# KiCad board q2v2.kicad_pcb (continued)
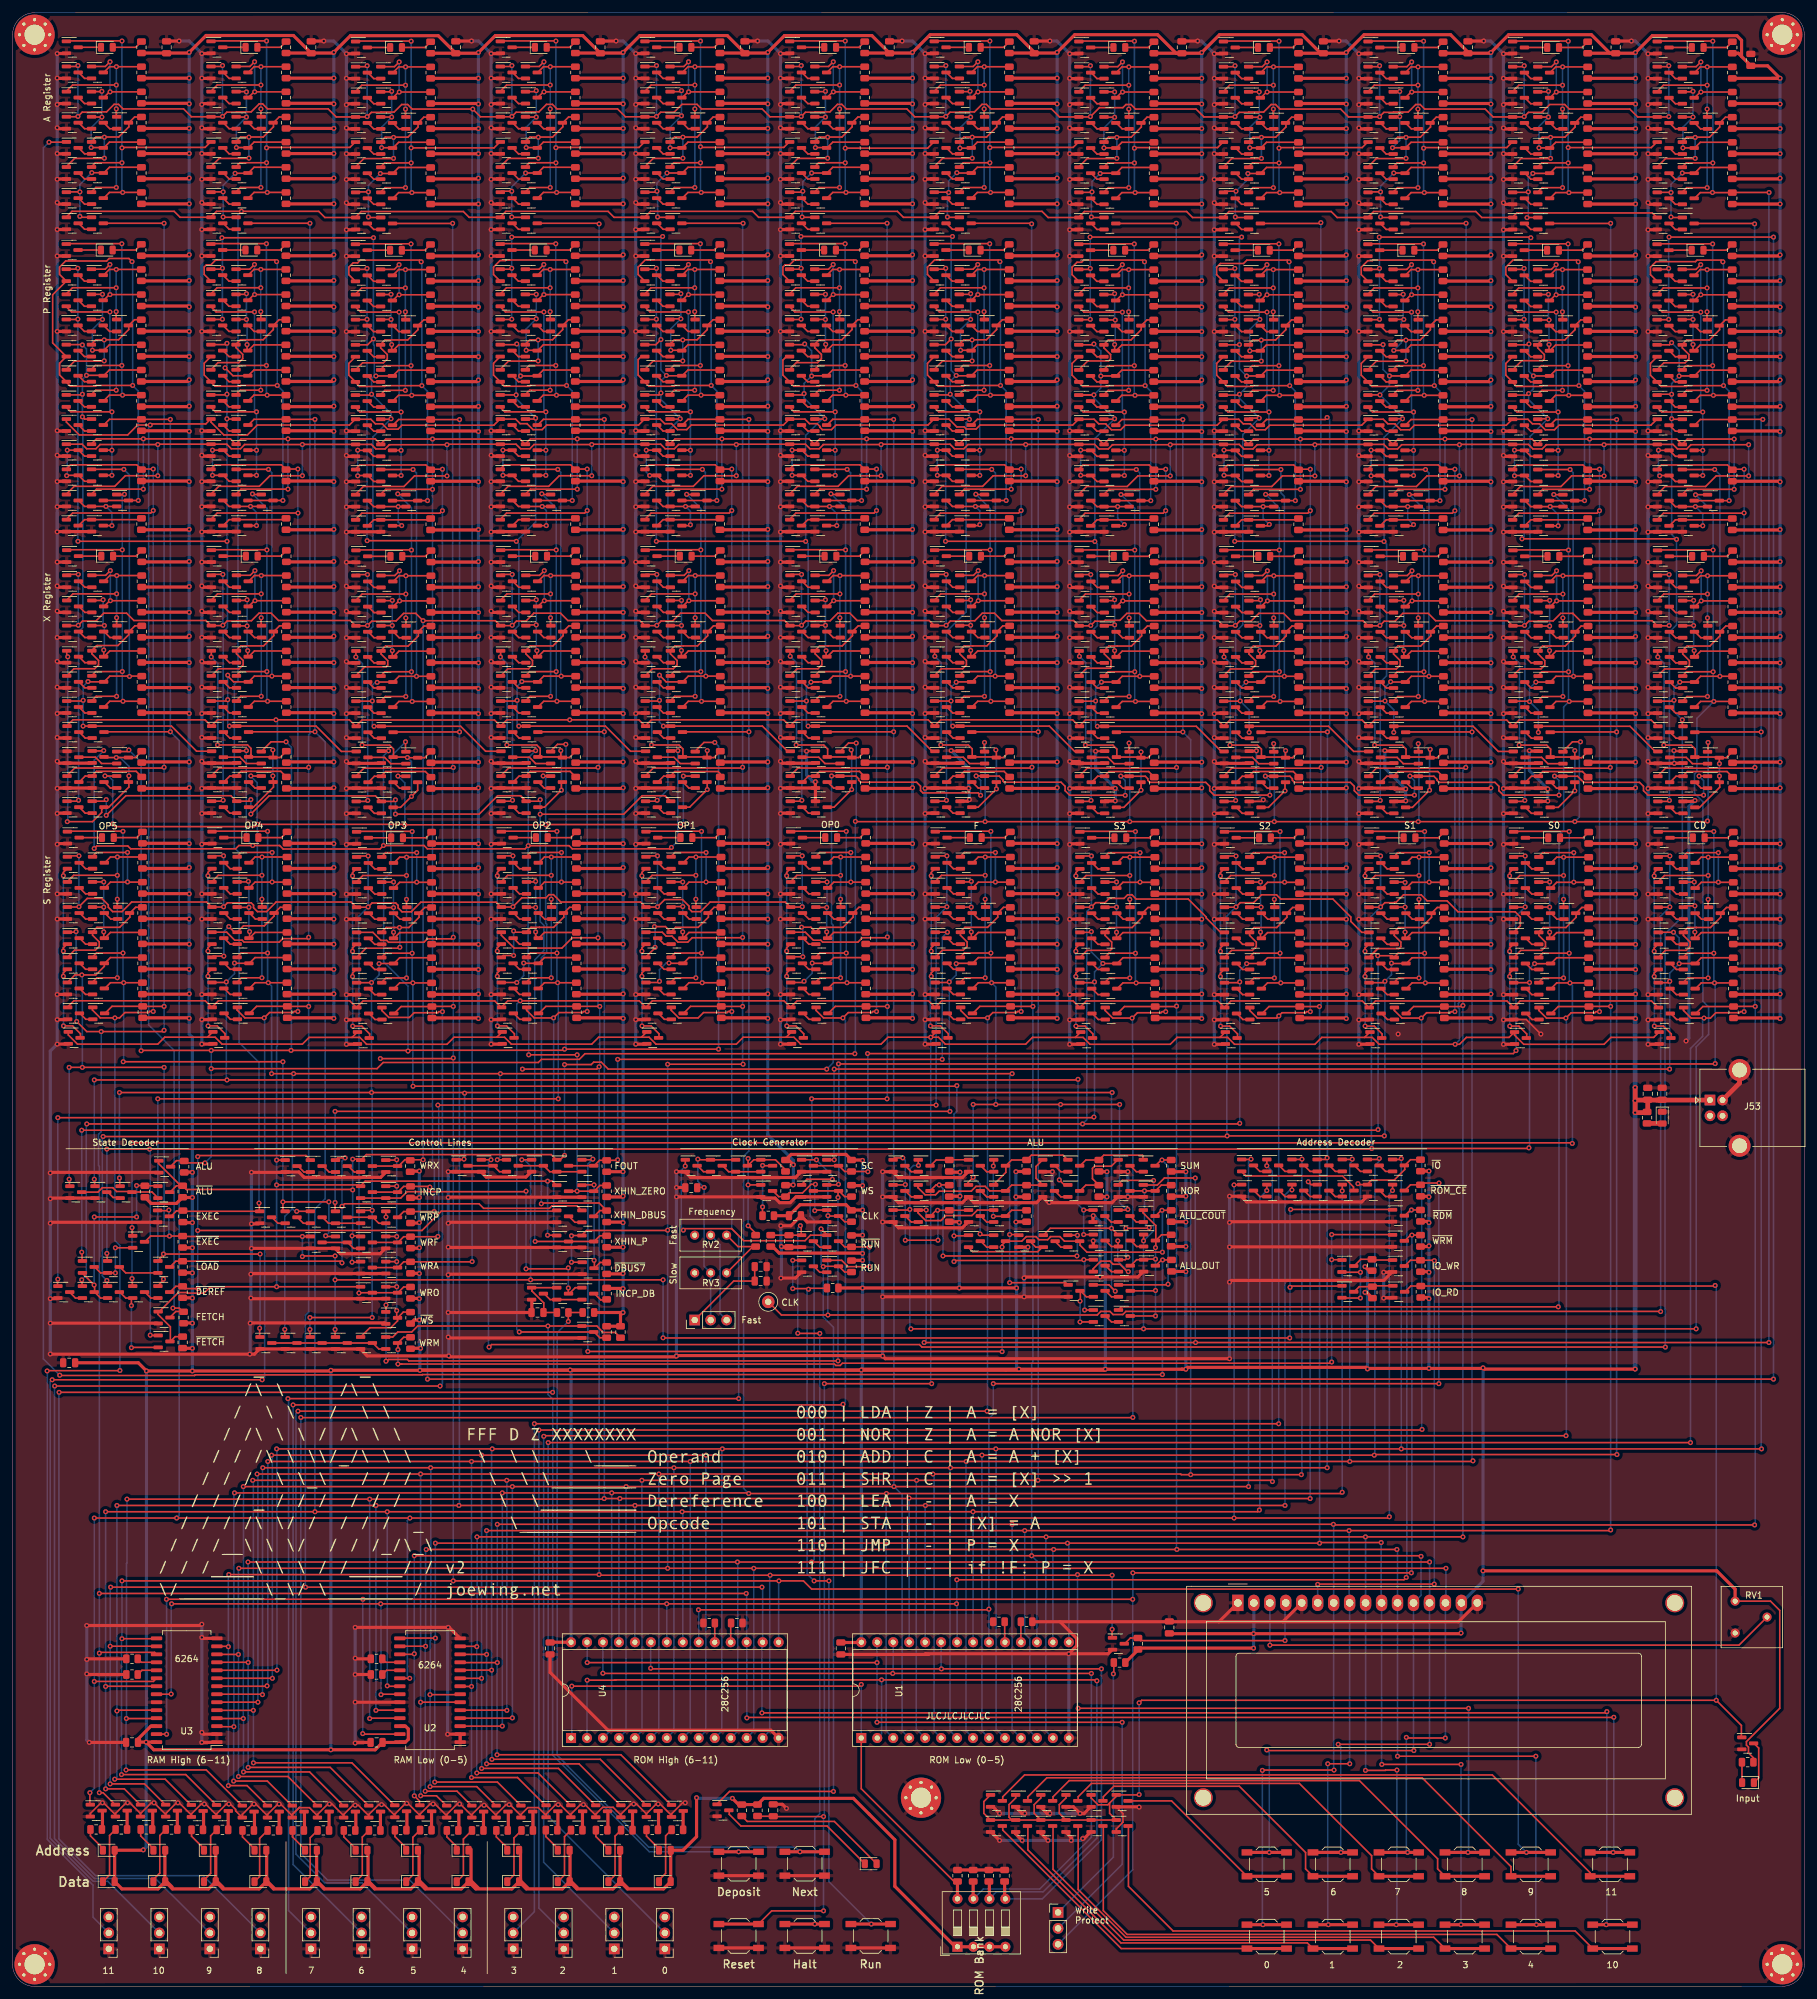
[diagram p0: board, top side]
## Routing (per net, layer and track width the routed paths; a pad name or vN(x,y) marks a point on that pad's centre or on a via; arc(x,y) is an arc through that point) (continued)
VCC: length 6872.1
  Top w0.25: RV1.3 279.62,61.31 281.1,59.83 281.1,44.25 275.8,38.95 275.8,38.4 276.13,38.07 276.13,37.16 276.91,36.38 R112.1
  Top w0.5: 88.68,21.87 88.68,16.87 89.83,15.72 ; 80.8,21.82 80.8,16.82 81.95,15.67 ; 72.93,21.82 72.93,16.82 74.08,15.67 ; 64.67,21.87 64.67,16.87 65.82,15.72 ; 40.42,21.82 40.42,16.82 41.57,15.67 ; 32.32,21.92 32.32,16.92 33.47,15.77 ; 25.38,15.82 24.23,16.97 24.23,21.97 ; 16.24,21.98 16.24,16.98 ; 49.52,15.67 48.37,16.82 48.37,21.82 ; 57.69,15.67 56.54,16.82 56.54,21.82 ; 104.69,21.92 104.69,16.92 ; 96.64,21.87 96.64,16.87 97.79,15.72 ; R40.1 50.99,307.61 v1(51.1,307.73) 53.75,310.37 67.7,310.37 C7.1 ; v1(51.1,303.63) 51.09,303.61 R42.1 ; v1(51.1,299.53) 51.01,299.61 R39.1 ; v1(51.1,295.63) 51.09,295.61 R43.1 ; R44.1 51.09,291.61 v1(51.1,291.63) ; R41.1 50.99,287.61 v1(51.1,287.73) ; R38.1 51.09,283.61 v1(51.1,283.63) ; v1(51.1,154.03) 51.01,154.11 R37.1 ; R63.1 51.05,157.87 v1(51.1,157.93) ; v1(51.1,161.83) 51.05,161.87 R66.1 ; v1(51.1,165.83) 51.05,165.87 R69.1 ; v1(51.1,169.83) 51.05,169.87 R68.1 ; v1(51.1,173.83) 51.05,173.87 R64.1 ; v1(51.1,178.03) 50.95,177.87 R67.1 ; v1(51.1,181.83) 51.05,181.87 R65.1 ; 50.99,194.71 v1(51.1,194.83) 43.66,194.83 ; v1(51.1,190.73) 50.99,190.61 R46.1 ; v1(51.1,202.53) 50.97,202.65 R47.1 ; v1(51.1,206.53) 50.97,206.65 R50.1 ; R53.1 51.07,210.65 v1(51.1,210.63) ; v1(51.1,214.83) 50.93,214.65 R52.1 ; v1(51.1,218.63) 51.07,218.65 R48.1 ; v1(51.1,222.73) 51.03,222.65 R51.1 ; v1(51.1,226.73) 51.03,226.65 R49.1 ; v1(51.1,231.83) 51.04,231.76 R55.1 ; R54.1 51.01,239.51 v1(51.1,239.43) ; v1(51.1,247.43) 51.01,247.51 R36.1 ; v1(51.1,251.43) 51.03,251.36 R56.1 ; v1(51.1,259.33) 51.07,259.36 R62.1 ; v1(51.1,255.63) 50.83,255.36 R59.1 ; R61.1 51.07,263.36 v1(51.1,263.33) ; v1(51.1,267.23) 50.97,267.36 R57.1 ; v1(51.1,271.43) 51.03,271.36 R60.1 ; R58.1 50.93,275.36 v1(51.1,275.53) ; R195.1 120.01,307.61 v1(120.12,307.72) 122.8,310.4 136.68,310.4 C10.1 ; v1(120.12,303.62) 120.11,303.61 R197.1 ; v1(120.12,299.52) 120.04,299.61 R194.1 ; v1(120.12,295.62) 120.11,295.61 R198.1 ; R199.1 120.11,291.61 v1(120.12,291.62) ; R196.1 120.01,287.61 v1(120.12,287.72) ; R193.1 120.11,283.61 v1(120.12,283.62) ; v1(120.12,154.02) 120.04,154.11 R192.1 ; R218.1 120.07,157.87 v1(120.12,157.92) ; v1(120.12,161.82) 120.08,161.87 R221.1 ; v1(120.12,165.82) 120.08,165.87 R224.1 ; v1(120.12,169.82) 120.08,169.87 R223.1 ; v1(120.12,173.82) 120.08,173.87 R219.1 ; v1(120.12,178.02) 119.97,177.87 R222.1 ; v1(120.12,181.82) 120.08,181.87 R220.1 ; 120.01,194.71 v1(120.12,194.82) 112.69,194.82 ; v1(120.12,190.72) 120.01,190.61 R201.1 ; v1(120.12,202.52) 120,202.65 R202.1 ; v1(120.12,206.52) 120,206.65 R205.1 ; R208.1 120.1,210.65 v1(120.12,210.62) ; v1(120.12,214.82) 119.95,214.65 R207.1 ; v1(120.12,218.62) 120.1,218.65 R203.1 ; v1(120.12,222.72) 120.05,222.65 R206.1 ; v1(120.12,226.72) 120.05,226.65 R204.1 ; v1(120.12,231.82) 120.06,231.76 R210.1 ; R209.1 120.04,239.51 v1(120.12,239.42) ; v1(120.12,247.42) 120.04,247.51 R191.1 ; v1(120.12,251.42) 120.06,251.35 R211.1 ; v1(120.12,259.32) 120.09,259.35 R217.1 ; v1(120.12,255.62) 119.86,255.35 R214.1 ; R216.1 120.09,263.35 v1(120.12,263.32) ; v1(120.12,267.22) 119.99,267.35 R212.1 ; v1(120.12,271.42) 120.06,271.35 R215.1 ; R213.1 119.96,275.35 v1(120.12,275.52) ; R161.1 97.01,307.61 v1(97.12,307.72) 99.8,310.4 113.68,310.4 C9.1 ; v1(97.12,303.62) 97.11,303.61 R163.1 ; v1(97.12,299.52) 97.04,299.61 R160.1 ; v1(97.12,295.62) 97.11,295.61 R164.1 ; R165.1 97.11,291.61 v1(97.12,291.62) ; R162.1 97.01,287.61 v1(97.12,287.72) ; R159.1 97.11,283.61 v1(97.12,283.62) ; v1(97.12,154.02) 97.04,154.11 R158.1 ; R184.1 97.07,157.87 v1(97.12,157.92) ; v1(97.12,161.82) 97.08,161.87 R187.1 ; v1(97.12,165.82) 97.08,165.87 R190.1 ; v1(97.12,169.82) 97.08,169.87 R189.1 ; v1(97.12,173.82) 97.08,173.87 R185.1 ; v1(97.12,178.02) 96.97,177.87 R188.1 ; v1(97.12,181.82) 97.08,181.87 R186.1 ; 97.01,194.71 v1(97.12,194.82) 89.69,194.82 ; v1(97.12,190.72) 97.01,190.61 R167.1 ; v1(97.12,202.52) 97,202.65 R168.1 ; v1(97.12,206.52) 97,206.65 R171.1 ; R174.1 97.1,210.65 v1(97.12,210.62) ; v1(97.12,214.82) 96.95,214.65 R173.1 ; v1(97.12,218.62) 97.1,218.65 R169.1 ; v1(97.12,222.72) 97.05,222.65 R172.1 ; v1(97.12,226.72) 97.05,226.65 R170.1 ; v1(97.12,231.82) 97.06,231.76 R176.1 ; R175.1 97.04,239.51 v1(97.12,239.42) ; v1(97.12,247.42) 97.04,247.51 R157.1 ; v1(97.12,251.42) 97.06,251.35 R177.1 ; v1(97.12,259.32) 97.09,259.35 R183.1 ; v1(97.12,255.62) 96.86,255.35 R180.1 ; R182.1 97.09,263.35 v1(97.12,263.32) ; v1(97.12,267.22) 96.99,267.35 R178.1 ; v1(97.12,271.42) 97.06,271.35 R181.1 ; R179.1 96.96,275.35 v1(97.12,275.52) ; R127.1 73.99,307.58 v1(74.1,307.7) 76.8,310.4 90.68,310.4 C8.1 ; v1(74.1,303.6) 74.09,303.58 R129.1 ; v1(74.1,299.5) 74.01,299.58 R126.1 ; v1(74.1,295.6) 74.09,295.58 R130.1 ; R131.1 74.09,291.58 v1(74.1,291.6) ; R128.1 73.99,287.58 v1(74.1,287.7) ; R125.1 74.09,283.58 v1(74.1,283.6) ; v1(74.1,154) 74.01,154.08 R124.1 ; R150.1 74.05,157.84 v1(74.1,157.9) ; v1(74.1,161.8) 74.05,161.84 R153.1 ; v1(74.1,165.8) 74.05,165.84 R156.1 ; v1(74.1,169.8) 74.05,169.84 R155.1 ; v1(74.1,173.8) 74.05,173.84 R151.1 ; v1(74.1,178) 73.95,177.84 R154.1 ; v1(74.1,181.8) 74.05,181.84 R152.1 ; 73.99,194.68 v1(74.1,194.8) 66.66,194.8 ; v1(74.1,190.7) 73.99,190.58 R133.1 ; v1(74.1,202.5) 73.97,202.62 R134.1 ; v1(74.1,206.5) 73.97,206.62 R137.1 ; R140.1 74.07,210.62 v1(74.1,210.6) ; v1(74.1,214.8) 73.93,214.62 R139.1 ; v1(74.1,218.6) 74.07,218.62 R135.1 ; v1(74.1,222.7) 74.03,222.62 R138.1 ; v1(74.1,226.7) 74.03,226.62 R136.1 ; v1(74.1,231.8) 74.04,231.73 R142.1 ; R141.1 74.01,239.48 v1(74.1,239.4) ; v1(74.1,247.4) 74.01,247.48 R123.1 ; v1(74.1,251.4) 74.03,251.33 R143.1 ; v1(74.1,259.3) 74.07,259.33 R149.1 ; v1(74.1,255.6) 73.83,255.33 R146.1 ; R148.1 74.07,263.33 v1(74.1,263.3) ; v1(74.1,267.2) 73.97,267.33 R144.1 ; v1(74.1,271.4) 74.03,271.33 R147.1 ; R145.1 73.93,275.33 v1(74.1,275.5) ; v1(281.15,275.5) 280.98,275.33 R451.1 ; v1(281.15,299.5) 281.06,299.58 R432.1 ; R437.1 281.14,291.58 v1(281.15,291.6) ; v1(281.15,287.7) 281.04,287.58 R434.1 ; v1(281.15,169.8) 281.1,169.84 R461.1 ; v1(281.15,178) 281,177.84 R460.1 ; v1(281.15,181.8) 281.1,181.84 R458.1 ; 281.04,194.68 v1(281.15,194.8) 273.71,194.8 ; v1(281.15,190.7) 281.04,190.58 R439.1 ; R442.1 281.08,226.62 v1(281.15,226.7) ; v1(281.15,239.4) 281.06,239.48 R447.1 ; R449.1 281.08,251.33 v1(281.15,251.4) ; R435.1 281.14,303.58 v1(281.15,303.6) ; v1(258.15,295.6) 258.14,295.58 R402.1 ; R398.1 258.06,299.58 v1(258.15,299.5) ; R272.1 166.08,226.65 v1(166.15,226.72) ; R271.1 166.12,218.65 v1(166.15,218.62) ; v1(166.15,214.82) 165.98,214.65 R275.1 ; R288.1 166.1,181.87 v1(166.15,181.82) ; R260.1 166.06,154.11 v1(166.15,154.02) ; R264.1 166.04,287.61 v1(166.15,287.72) ; R287.1 166.1,173.87 v1(166.15,173.82) ; v1(166.15,303.62) 166.14,303.61 R265.1 ; R284.1 166.12,263.35 v1(166.15,263.32) ; R282.1 165.88,255.35 v1(166.15,255.62) ; v1(166.15,239.42) 166.06,239.51 R277.1 ; v1(143.15,275.52) 142.98,275.35 R247.1 ; v1(143.15,255.62) 142.88,255.35 R248.1 ; R237.1 143.12,218.65 v1(143.15,218.62) ; R236.1 143.02,202.65 v1(143.15,202.52) ; R235.1 143.04,190.61 v1(143.15,190.72) ; R256.1 143,177.87 v1(143.15,178.02) ; R255.1 143.1,161.87 v1(143.15,161.82) ; v1(143.15,299.52) 143.06,299.61 R228.1 ; R353.1 212.12,259.33 v1(212.15,259.3) ; v1(212.15,251.4) 212.08,251.33 R347.1 ; v1(212.15,247.4) 212.06,247.48 R327.1 ; v1(212.15,231.8) 212.09,231.73 R346.1 ; R345.1 212.06,239.48 v1(212.15,239.4) ; R340.1 212.08,226.62 v1(212.15,226.7) ; v1(189.15,275.5) 188.98,275.33 R315.1 ; R317.1 189.08,271.33 v1(189.15,271.4) ; R314.1 189.02,267.33 v1(189.15,267.2) ; R318.1 189.12,263.33 v1(189.15,263.3) ; v1(189.15,251.4) 189.08,251.33 R313.1 ; R312.1 189.09,231.73 v1(189.15,231.8) ; v1(189.15,226.7) 189.08,226.62 R306.1 ; R309.1 188.98,214.62 v1(189.15,214.8) ; v1(189.15,210.6) 189.12,210.62 R310.1 ; R307.1 189.02,206.62 v1(189.15,206.5) ; R308.1 189.08,222.62 v1(189.15,222.7) ; R303.1 189.04,190.58 v1(189.15,190.7) ; 181.71,194.8 v1(189.15,194.8) 189.04,194.68 ; R324.1 189,177.84 v1(189.15,178) ; R325.1 189.1,169.84 v1(189.15,169.8) ; v1(189.15,161.8) 189.1,161.84 R323.1 ; v1(189.15,283.6) 189.14,283.58 R295.1 ; v1(189.15,287.7) 189.04,287.58 R298.1 ; v1(189.15,299.5) 189.06,299.58 R296.1 ; v1(235.15,271.4) 235.08,271.33 R385.1 ; R382.1 235.02,267.33 v1(235.15,267.2) ; v1(235.15,251.4) 235.08,251.33 R381.1 ; v1(235.15,259.3) 235.12,259.33 R387.1 ; R361.1 235.06,247.48 v1(235.15,247.4) ; R375.1 235.02,206.62 v1(235.15,206.5) ; R371.1 235.04,190.58 v1(235.15,190.7) ; v1(235.15,178) 235,177.84 R392.1 ; R366.1 235.04,287.58 v1(235.15,287.7) ; R369.1 235.14,291.58 v1(235.15,291.6) ; R365.1 235.04,307.58 v1(235.15,307.7) 237.98,310.53 251.13,310.53 254.08,307.58 C15.1 ; v1(212.15,210.6) 212.12,210.62 R344.1 ; v1(212.15,178) 212,177.84 R358.1 ; v1(212.15,169.8) 212.1,169.84 R359.1 ; R357.1 212.1,161.84 v1(212.15,161.8) ; R334.1 212.14,295.58 v1(212.15,295.6) ; R332.1 212.04,287.58 v1(212.15,287.7) ; R333.1 212.14,303.58 v1(212.15,303.6) ; v1(212.15,190.7) 212.04,190.58 R337.1 ; R417.1 257.98,275.33 v1(258.15,275.5) ; R419.1 258.08,271.33 v1(258.15,271.4) ; R416.1 258.02,267.33 v1(258.15,267.2) ; R420.1 258.12,263.33 v1(258.15,263.3) ; v1(258.15,259.3) 258.12,259.33 R421.1 ; R414.1 258.09,231.73 v1(258.15,231.8) ; R412.1 258.12,210.62 v1(258.15,210.6) ; R409.1 258.02,206.62 v1(258.15,206.5) ; v1(258.15,202.5) 258.02,202.62 R406.1 ; 250.71,194.8 v1(258.15,194.8) 258.04,194.68 ; R423.1 258.1,173.84 v1(258.15,173.8) ; v1(258.15,165.8) 258.1,165.84 R428.1 ; R425.1 258.1,161.84 v1(258.15,161.8) ; R383.1 234.98,275.33 v1(235.15,275.5) ; v1(235.15,239.4) 235.06,239.48 R379.1 ; R374.1 235.08,226.62 v1(235.15,226.7) ; v1(235.15,231.8) 235.09,231.73 R380.1 ; v1(235.15,218.6) 235.12,218.62 R373.1 ; R376.1 235.08,222.62 v1(235.15,222.7) ; v1(235.15,202.5) 235.02,202.62 R372.1 ; R390.1 235.1,181.84 v1(235.15,181.8) ; R389.1 235.1,173.84 v1(235.15,173.8) ; R394.1 235.1,165.84 v1(235.15,165.8) ; R388.1 235.1,157.84 v1(235.15,157.9) ; v1(235.15,154) 235.06,154.08 R362.1 ; R367.1 235.14,303.58 v1(235.15,303.6) ; R316.1 188.88,255.33 v1(189.15,255.6) ; R319.1 189.12,259.33 v1(189.15,259.3) ; v1(189.15,239.4) 189.06,239.48 R311.1 ; R305.1 189.12,218.62 v1(189.15,218.6) ; R321.1 189.1,173.84 v1(189.15,173.8) ; v1(189.15,165.8) 189.1,165.84 R326.1 ; v1(189.15,157.9) 189.1,157.84 R320.1 ; v1(189.15,291.6) 189.14,291.58 R301.1 ; v1(189.15,295.6) 189.14,295.58 R300.1 ; R349.1 211.98,275.33 v1(212.15,275.5) ; R348.1 212.02,267.33 v1(212.15,267.2) ; v1(212.15,255.6) 211.88,255.33 R350.1 ; R342.1 212.08,222.62 v1(212.15,222.7) ; v1(212.15,214.8) 211.98,214.62 R343.1 ; 212.04,194.68 v1(212.15,194.8) 204.71,194.8 ; R355.1 212.1,173.84 v1(212.15,173.8) ; v1(212.15,165.8) 212.1,165.84 R360.1 ; v1(212.15,157.9) 212.1,157.84 R354.1 ; R328.1 212.06,154.08 v1(212.15,154) ; R329.1 212.14,283.58 v1(212.15,283.6) ; v1(166.15,275.52) 165.98,275.35 R281.1 ; R280.1 166.02,267.35 v1(166.15,267.22) ; R285.1 166.12,259.35 v1(166.15,259.32) ; R279.1 166.08,251.35 v1(166.15,251.42) ; R259.1 166.06,247.51 v1(166.15,247.42) ; R274.1 166.08,222.65 v1(166.15,222.72) ; R273.1 166.02,206.65 v1(166.15,206.52) ; R270.1 166.02,202.65 v1(166.15,202.52) ; v1(166.15,190.72) 166.04,190.61 R269.1 ; v1(166.15,157.92) 166.1,157.87 R286.1 ; v1(166.15,283.62) 166.14,283.61 R261.1 ; R262.1 166.06,299.61 v1(166.15,299.52) ; R263.1 166.04,307.61 v1(166.15,307.72) 168.96,310.53 182.13,310.53 185.08,307.58 C12.1 ; R249.1 143.08,271.35 v1(143.15,271.42) ; R250.1 143.12,263.35 v1(143.15,263.32) ; R246.1 143.02,267.35 v1(143.15,267.22) ; R251.1 143.12,259.35 v1(143.15,259.32) ; v1(143.15,247.42) 143.06,247.51 R225.1 ; v1(143.15,206.52) 143.02,206.65 R239.1 ; v1(143.15,222.72) 143.08,222.65 R240.1 ; 143.04,194.71 v1(143.15,194.82) 135.71,194.82 ; v1(143.15,173.82) 143.1,173.87 R253.1 ; v1(143.15,181.82) 143.1,181.87 R254.1 ; v1(143.15,165.82) 143.1,165.87 R258.1 ; v1(143.15,154.02) 143.06,154.11 R226.1 ; v1(143.15,291.62) 143.14,291.61 R233.1 ; R232.1 143.14,295.61 v1(143.15,295.62) ; R229.1 143.04,307.61 v1(143.15,307.72) 145.96,310.53 159.74,310.53 162.5,307.76 ; R418.1 257.88,255.33 v1(258.15,255.6) ; R415.1 258.08,251.33 v1(258.15,251.4) ; R410.1 258.08,222.62 v1(258.15,222.7) ; R407.1 258.12,218.62 v1(258.15,218.6) ; R411.1 257.98,214.62 v1(258.15,214.8) ; R405.1 258.04,190.58 v1(258.15,190.7) ; R424.1 258.1,181.84 v1(258.15,181.8) ; R426.1 258,177.84 v1(258.15,178) ; v1(258.15,169.8) 258.1,169.84 R427.1 ; R422.1 258.1,157.84 v1(258.15,157.9) ; R403.1 258.14,291.58 v1(258.15,291.6) ; v1(281.15,267.2) 281.02,267.33 R450.1 ; R453.1 281.08,271.33 v1(281.15,271.4) ; v1(281.15,255.6) 280.88,255.33 R452.1 ; v1(281.15,247.4) 281.06,247.48 R429.1 ; v1(281.15,259.3) 281.12,259.33 R455.1 ; R448.1 281.09,231.73 v1(281.15,231.8) ; R443.1 281.02,206.62 v1(281.15,206.5) ; R445.1 280.98,214.62 v1(281.15,214.8) ; R457.1 281.1,173.84 v1(281.15,173.8) ; R430.1 281.06,154.08 v1(281.15,154) ; v1(281.15,283.6) 281.14,283.58 R431.1 ; v1(281.15,295.6) 281.14,295.58 R436.1 ; v1(281.15,303.6) 279.88,303.6 ; v1(281.15,303.6) 279.17,305.58 C16.1 274.49,307.58 R433.1 ; R257.1 143.1,169.87 v1(143.15,169.82) ; v1(143.15,231.82) 143.09,231.76 R244.1 ; v1(143.15,226.72) 143.08,226.65 R238.1 ; R227.1 143.14,283.61 v1(143.15,283.62) ; R252.1 143.1,157.87 v1(143.15,157.92) ; R231.1 143.14,303.61 v1(143.15,303.62) ; R243.1 143.06,239.51 v1(143.15,239.42) ; R397.1 258.14,283.58 v1(258.15,283.6) ; v1(258.15,303.6) 258.14,303.58 R401.1 ; R399.1 258.04,307.58 v1(258.15,307.7) 260.83,310.37 274.29,310.37 275.02,309.64 275.02,307.05 ; v1(235.15,263.3) 235.12,263.33 R386.1 ; R444.1 281.08,222.62 v1(281.15,222.7) ; v1(281.15,263.3) 281.12,263.33 R454.1 ; v1(281.15,202.5) 281.02,202.62 R440.1 ; R446.1 281.12,210.62 v1(281.15,210.6) ; v1(281.15,157.9) 281.1,157.84 R456.1 ; R462.1 281.1,165.84 v1(281.15,165.8) ; R441.1 281.12,218.62 v1(281.15,218.6) ; R283.1 166.08,271.35 v1(166.15,271.42) ; v1(166.15,210.62) 166.12,210.65 R276.1 ; 158.71,194.82 v1(166.15,194.82) 166.04,194.71 ; R291.1 166.1,169.87 v1(166.15,169.82) ; R292.1 166.1,165.87 v1(166.15,165.82) ; v1(166.15,291.62) 166.14,291.61 R267.1 ; R266.1 166.14,295.61 v1(166.15,295.62) ; R293.1 189.06,247.48 v1(189.15,247.4) ; v1(189.15,202.5) 189.02,202.62 R304.1 ; R322.1 189.1,181.84 v1(189.15,181.8) ; R294.1 189.06,154.08 v1(189.15,154) ; v1(189.15,303.6) 189.14,303.58 R299.1 ; R297.1 189.04,307.58 v1(189.15,307.7) 191.98,310.53 205.13,310.53 208.08,307.58 ; v1(212.15,218.6) 212.12,218.62 R339.1 ; v1(212.15,206.5) 212.02,206.62 R341.1 ; v1(212.15,271.4) 212.08,271.33 R351.1 ; v1(212.15,291.6) 212.14,291.58 R335.1 ; R352.1 212.12,263.33 v1(212.15,263.3) ; R331.1 212.04,307.58 v1(212.15,307.7) 214.98,310.53 228.74,310.53 231.5,307.76 ; 227.71,194.8 v1(235.15,194.8) 235.04,194.68 ; R384.1 234.88,255.33 v1(235.15,255.6) ; v1(235.15,161.8) 235.1,161.84 R391.1 ; R393.1 235.1,169.84 v1(235.15,169.8) ; v1(235.15,283.6) 235.14,283.58 R363.1 ; R368.1 235.14,295.58 v1(235.15,295.6) ; R378.1 235.12,210.62 v1(235.15,210.6) ; R459.1 281.1,161.84 v1(281.15,161.8) ; v1(258.15,287.7) 258.04,287.58 R400.1 ; v1(258.15,226.7) 258.08,226.62 R408.1 ; R395.1 258.06,247.48 v1(258.15,247.4) ; R413.1 258.06,239.48 v1(258.15,239.4) ; v1(258.15,154) 258.06,154.08 R396.1 ; v1(212.15,181.8) 212.1,181.84 R356.1 ; R338.1 212.02,202.62 v1(212.15,202.5) ; R330.1 212.06,299.58 v1(212.15,299.5) ; v1(166.15,178.02) 166,177.87 R290.1 ; v1(166.15,231.82) 166.09,231.76 R278.1 ; R289.1 166.1,161.87 v1(166.15,161.82) ; v1(143.15,287.72) 143.04,287.61 R230.1 ; R364.1 235.06,299.58 v1(235.15,299.5) ; v1(235.15,214.8) 234.98,214.62 R377.1 ; v1(143.15,251.42) 143.08,251.35 R245.1 ; R241.1 142.98,214.65 v1(143.15,214.82) ; v1(143.15,210.62) 143.12,210.65 R242.1 ; v1(124.2,130.73) 123.44,131.49 R95.1 123.84,132.38 132.56,132.38 R92.1 135.14,131.49 v1(135.2,131.43) ; R82.1 97.09,117.61 v1(97.1,117.63) ; R478.1 R477.1 96.7,106.83 v1(97.1,107.23) 92.46,107.23 ; v1(28.1,226.73) 28.03,226.65 R11.1 ; R109.1 150.49,121.66 v1(150.6,121.55) ; R23.1 28.03,251.36 v1(28.1,251.43) ; D71.2 106.65,21.67 108.8,23.83 v1(108.8,30.03) ; v1(28.1,239.43) 28.01,239.51 R21.1 ; SW33.1 SW33.4 ; v1(225.3,125.63) 225.21,125.71 R471.1 ; R87.1 64.64,117.46 v1(64.7,117.53) ; v1(64.7,125.53) 64.64,125.46 R84.1 ; R10.1 28.09,291.61 v1(28.1,291.63) ; v1(28.1,178.03) 27.95,177.87 R33.1 ; R71.1 28.56,109.56 v1(28.6,109.53) ; v1(215.12,114.53) 215.79,113.86 R465.1 ; v1(150.7,125.73) 149.06,125.73 ; v1(64.7,113.43) 64.66,113.46 R83.1 ; v1(225.3,113.63) 225.21,113.71 R463.1 ; D50.2 17.39,15.52 23.13,15.52 D52.2 25.43,15.52 31.17,15.52 D54.2 33.47,15.52 39.21,15.52 D56.2 41.51,15.52 47.25,15.52 D58.2 49.55,15.52 55.29,15.52 D60.2 57.59,15.52 63.33,15.52 D62.2 65.63,15.52 71.37,15.52 D64.2 73.67,15.52 79.41,15.52 D66.2 81.71,15.52 87.46,15.52 D68.2 89.76,15.52 95.5,15.52 D70.2 97.8,15.52 103.54,15.52 D72.2 ; 27.05,105.56 28.56,105.56 v1(28.6,105.53) ; R472.1 225.19,117.71 v1(225.3,117.83) ; v1(50.63,98.03) 50.53,97.93 v1(28.6,97.93) v1(21.3,97.93) 20,99.23 C27.1 ; v1(50.63,98.03) 50.75,97.9 ; v1(50.63,98.03) v1(64.8,98.03) 173.65,98.03 v1(173.82,98.2) ; 136.25,27.43 136.26,27.43 ; R79.1 64.66,109.46 v1(64.7,109.43) ; v1(28.1,222.73) 28.03,222.65 R17.1 ; R29.1 28.05,181.87 v1(28.1,181.83) ; v1(21.25,38.87) 22.47,37.65 v1(50.62,37.65) 57.67,37.65 C20.2 61.56,38.83 ; v1(21.25,38.87) U3.28 ; v1(21.25,38.87) 20,38.87 ; v1(186.62,125.73) 184.36,125.73 ; C22.2 134.96,54.73 ; R13.1 27.99,190.61 v1(28.1,190.73) ; R30.1 28.05,157.87 v1(28.1,157.93) ; 22.9,41.41 22,41.41 19.95,39.36 C19.2 ; R97.1 132.56,124.38 125.25,124.38 C3.2 R99.1 ; v1(28.6,125.53) 27.09,125.53 ; R119.1 186.59,113.76 v1(186.62,113.73) ; v1(135.2,119.53) 133.49,119.53 ; v1(186.62,121.63) 186.59,121.66 R118.1 ; v1(97.1,113.43) 97.04,113.36 R85.1 ; v1(225.3,129.73) 223.96,129.73 ; v1(28.6,117.53) 27.09,117.53 ; v1(28.1,299.53) 28.01,299.61 R6.1 ; v1(186.62,117.73) 184.34,117.73 ; v1(28.1,303.63) 28.09,303.61 R8.1 ; v1(97.1,121.53) 97.01,121.61 R81.1 ; v1(160.08,98.2) v1(173.82,98.2) ; v1(160.08,98.2) 159.9,98.03 ; v1(160.08,98.2) 135.13,98.2 v1(135,98.08) v1(88.7,98.08) 64.85,98.08 ; v1(173.82,98.2) 173.83,98.2 v1(186.62,98.2) 186.92,98.5 215.28,98.5 v1(215.52,98.25) 215.6,98.33 v1(225.3,98.33) 233.8,98.33 v1(233.9,98.43) 234.1,98.23 v1(258.1,98.23) ; R74.1 26.06,124.58 22.04,124.58 R76.1 ; R31.1 28.05,173.87 v1(28.1,173.83) ; v1(135.2,115.53) 133.49,115.53 ; RV1.3 274,63.21 271.08,66.13 v1(233.9,66.13) ; R110.1 159.64,129.66 v1(159.6,129.63) ; R120.1 174.04,125.66 v1(174.07,125.63) ; v1(64.9,101.53) 63.36,101.53 ; R3.1 28.01,154.11 v1(28.1,154.03) ; 131.41,111.13 v1(135.2,111.13) v1(150.6,111.13) v1(159.7,111.13) ; v1(197.4,53.83) 179.21,53.83 ; v1(28.1,165.83) 28.05,165.87 R35.1 ; R28.1 28.07,259.36 v1(28.1,259.33) ; 63.3,129.71 64.69,129.71 v1(64.7,129.73) ; R86.1 63.86,106.03 v1(64.7,106.03) ; R473.1 225.11,121.71 v1(225.3,121.53) ; v1(28.1,214.83) 27.93,214.65 R18.1 ; 94.55,111.05 97.07,111.05 v1(97.1,111.03) ; v1(28.1,263.33) 28.07,263.36 R27.1 ; v1(186.62,129.63) 184.34,129.63 ; D49.2 20.75,21.67 v1(20.8,21.73) ; 20.66,194.83 v1(28.1,194.83) 27.99,194.71 ; v1(28.1,169.83) 28.05,169.87 R34.1 ; 27.05,129.56 28.56,129.56 v1(28.6,129.53) ; v1(28.1,255.63) 27.83,255.36 R25.1 ; R80.1 96.99,125.61 v1(97.1,125.73) ; v1(135.2,116.63) 135.15,116.68 121.94,116.68 120.95,117.66 ; v1(28.1,283.63) 28.09,283.61 R5.1 ; v1(135.2,127.43) 133.51,127.43 ; v1(64.7,121.53) 64.64,121.46 R89.1 ; R72.1 28.56,113.56 v1(28.6,113.53) ; R24.1 27.97,267.36 v1(28.1,267.23) ; v1(28.1,206.53) 27.97,206.65 R16.1 ; R4.1 27.99,307.61 v1(28.1,307.73) 30.78,310.4 44.67,310.4 C2.1 ; v1(28.6,121.53) 27.09,121.53 ; v1(215.12,110.43) 215.39,110.43 R105.1 ; U4.28 85.54,54.77 ; v1(225.3,109.43) 225.11,109.61 R94.1 ; v1(28.1,202.53) 27.97,202.65 R14.1 ; R26.1 28.03,271.36 v1(28.1,271.43) ; R9.1 28.09,295.61 v1(28.1,295.63) ; R7.1 27.99,287.61 v1(28.1,287.73) ; 179,53.53 R505.2 ; v1(159.6,121.63) 159.64,121.66 R108.1 ; v1(28.1,247.43) 28.01,247.51 R2.1 ; 61.6,41.41 62.5,41.41 62.95,40.96 62.95,39.32 62.5,38.87 U2.28 ; 149.95,6.31 140.34,15.93 140.34,23.33 133.75,29.93 119.49,29.93 R476.1 R500.1 115.49,28.94 v1(114.5,29.93) ; v1(28.1,161.83) 28.05,161.87 R32.1 ; v1(97.1,129.63) 94.51,129.63 ; v1(135.2,123.53) 133.49,123.53 ; v1(124.18,127.53) 122.99,127.53 ; v1(28.1,275.53) 27.93,275.36 R20.1 ; v1(28.1,210.63) 28.07,210.65 R19.1 ; v1(174.07,129.63) 172.84,129.63 ; 184.05,56.13 v1(197.4,56.13) 230.3,56.13 v1(230.4,56.23) ; R22.1 28.04,231.76 v1(28.1,231.83) ; v1(159.6,125.63) 161.26,125.63 ; v1(150.7,129.55) 149.11,129.55 ; v1(28.6,101.53) 27.09,101.53 ; R15.1 28.07,218.65 v1(28.1,218.63)
  Top w0.75: v1(258.1,140.93) v1(258.1,143.03) ; v1(258.1,140.93) 258.2,141.03 J53.1 ; v1(258.1,140.93) v1(258.1,139.03) 259.89,139.03 ; C18.1 260.1,139.24
  Bottom w0.5: v1(51.1,307.73) v1(51.1,303.63) v1(51.1,299.53) v1(51.1,295.63) v1(51.1,291.63) v1(51.1,287.73) v1(51.1,283.63) v1(51.1,275.53) v1(51.1,271.43) v1(51.1,267.23) v1(51.1,263.33) v1(51.1,259.33) v1(51.1,255.63) v1(51.1,251.43) v1(51.1,247.43) v1(51.1,239.43) v1(51.1,226.73) v1(51.1,222.73) v1(51.1,218.63) v1(51.1,214.83) v1(51.1,210.63) v1(51.1,206.53) v1(51.1,202.53) v1(51.1,194.83) v1(51.1,178.03) v1(51.1,173.83) v1(51.1,169.83) v1(51.1,165.83) v1(51.1,161.83) v1(51.1,157.93) v1(51.1,154.03) ; v1(120.12,307.72) v1(120.12,303.62) v1(120.12,299.52) v1(120.12,295.62) v1(120.12,291.62) v1(120.12,287.72) v1(120.12,283.62) v1(120.12,275.52) v1(120.12,271.42) v1(120.12,267.22) v1(120.12,263.32) v1(120.12,259.32) v1(120.12,255.62) v1(120.12,251.42) v1(120.12,247.42) v1(120.12,239.42) v1(120.12,226.72) v1(120.12,222.72) v1(120.12,218.62) v1(120.12,214.82) v1(120.12,210.62) v1(120.12,206.52) v1(120.12,202.52) v1(120.12,194.82) v1(120.12,181.82) v1(120.12,178.02) v1(120.12,173.82) v1(120.12,169.82) v1(120.12,165.82) v1(120.12,161.82) v1(120.12,157.92) v1(120.12,154.02) 120.12,135.5 124.2,131.43 v1(124.2,130.73) 124.2,127.55 v1(124.18,127.53) ; v1(97.12,307.72) v1(97.12,303.62) v1(97.12,299.52) v1(97.12,295.62) v1(97.12,291.62) v1(97.12,287.72) v1(97.12,275.52) v1(97.12,271.42) v1(97.12,267.22) v1(97.12,263.32) v1(97.12,259.32) v1(97.12,255.62) v1(97.12,251.42) v1(97.12,247.42) v1(97.12,239.42) v1(97.12,226.72) v1(97.12,222.72) v1(97.12,218.62) v1(97.12,214.82) v1(97.12,210.62) v1(97.12,206.52) v1(97.12,202.52) v1(97.12,194.82) v1(97.12,181.82) v1(97.12,178.02) v1(97.12,173.82) v1(97.12,169.82) v1(97.12,165.82) v1(97.12,161.82) v1(97.12,157.92) v1(97.12,154.02) 97.12,129.65 v1(97.1,129.63) v1(97.1,125.73) v1(97.1,121.53) v1(97.1,117.63) v1(97.1,113.43) v1(97.1,111.03) v1(97.1,107.23) ; v1(74.1,307.7) v1(74.1,303.6) v1(74.1,299.5) v1(74.1,295.6) v1(74.1,291.6) v1(74.1,287.7) v1(74.1,283.6) v1(74.1,275.5) v1(74.1,271.4) v1(74.1,267.2) v1(74.1,263.3) v1(74.1,259.3) v1(74.1,255.6) v1(74.1,251.4) v1(74.1,247.4) v1(74.1,239.4) v1(74.1,226.7) v1(74.1,222.7) v1(74.1,218.6) v1(74.1,214.8) v1(74.1,210.6) v1(74.1,206.5) v1(74.1,202.5) v1(74.1,194.8) v1(74.1,181.8) v1(74.1,178) v1(74.1,173.8) v1(74.1,169.8) v1(74.1,165.8) v1(74.1,161.8) v1(74.1,157.9) v1(74.1,154) ; v1(143.15,154.02) v1(143.15,157.92) v1(143.15,161.82) v1(143.15,165.82) v1(143.15,169.82) v1(143.15,173.82) v1(143.15,178.02) v1(143.15,181.82) v1(143.15,194.82) v1(143.15,202.52) v1(143.15,206.52) v1(143.15,210.62) v1(143.15,214.82) v1(143.15,218.62) v1(143.15,222.72) v1(143.15,226.72) v1(143.15,239.42) v1(143.15,247.42) v1(143.15,251.42) v1(143.15,255.62) v1(143.15,259.32) v1(143.15,263.32) v1(143.15,267.22) v1(143.15,271.42) v1(143.15,275.52) v1(143.15,283.62) v1(143.15,287.72) v1(143.15,291.62) v1(143.15,295.62) v1(143.15,299.52) v1(143.15,303.62) v1(143.15,307.72) ; v1(189.15,307.7) v1(189.15,303.6) v1(189.15,299.5) v1(189.15,295.6) v1(189.15,291.6) v1(189.15,287.7) v1(189.15,283.6) v1(189.15,275.5) v1(189.15,271.4) v1(189.15,267.2) v1(189.15,263.3) v1(189.15,259.3) v1(189.15,255.6) v1(189.15,251.4) v1(189.15,247.4) v1(189.15,239.4) v1(189.15,226.7) v1(189.15,222.7) v1(189.15,218.6) v1(189.15,214.8) v1(189.15,210.6) v1(189.15,206.5) v1(189.15,202.5) v1(189.15,194.8) v1(189.15,181.8) v1(189.15,178) v1(189.15,173.8) v1(189.15,169.8) v1(189.15,165.8) v1(189.15,161.8) v1(189.15,157.9) v1(189.15,154) ; v1(235.15,307.7) v1(235.15,303.6) v1(235.15,299.5) v1(235.15,295.6) v1(235.15,291.6) v1(235.15,287.7) v1(235.15,283.6) v1(235.15,275.5) v1(235.15,271.4) v1(235.15,267.2) v1(235.15,263.3) v1(235.15,259.3) v1(235.15,255.6) v1(235.15,251.4) v1(235.15,247.4) v1(235.15,239.4) v1(235.15,226.7) v1(235.15,222.7) v1(235.15,218.6) v1(235.15,214.8) v1(235.15,210.6) v1(235.15,206.5) v1(235.15,202.5) v1(235.15,194.8) v1(235.15,181.8) v1(235.15,178) v1(235.15,173.8) v1(235.15,169.8) v1(235.15,165.8) v1(235.15,161.8) v1(235.15,157.9) v1(235.15,154) ; v1(166.15,307.72) v1(166.15,303.62) v1(166.15,299.52) v1(166.15,295.62) v1(166.15,291.62) v1(166.15,287.72) v1(166.15,283.62) v1(166.15,275.52) v1(166.15,271.42) v1(166.15,267.22) v1(166.15,263.32) v1(166.15,259.32) v1(166.15,255.62) v1(166.15,251.42) v1(166.15,247.42) v1(166.15,239.42) v1(166.15,222.72) v1(166.15,218.62) v1(166.15,214.82) v1(166.15,210.62) v1(166.15,206.52) v1(166.15,202.52) v1(166.15,194.82) v1(166.15,181.82) v1(166.15,178.02) v1(166.15,173.82) v1(166.15,169.82) v1(166.15,165.82) v1(166.15,161.82) v1(166.15,157.92) v1(166.15,154.02) ; v1(258.15,307.7) v1(258.15,303.6) v1(258.15,299.5) v1(258.15,295.6) v1(258.15,291.6) v1(258.15,287.7) v1(258.15,283.6) v1(258.15,275.5) v1(258.15,271.4) v1(258.15,267.2) v1(258.15,263.3) v1(258.15,259.3) v1(258.15,255.6) v1(258.15,251.4) v1(258.15,247.4) v1(258.15,239.4) v1(258.15,222.7) v1(258.15,218.6) v1(258.15,214.8) v1(258.15,210.6) v1(258.15,206.5) v1(258.15,202.5) v1(258.15,194.8) v1(258.15,181.8) v1(258.15,178) v1(258.15,173.8) v1(258.15,169.8) v1(258.15,165.8) v1(258.15,161.8) v1(258.15,157.9) v1(258.15,154) ; v1(281.15,303.6) v1(281.15,299.5) v1(281.15,295.6) v1(281.15,291.6) v1(281.15,287.7) v1(281.15,283.6) v1(281.15,275.5) v1(281.15,271.4) v1(281.15,267.2) v1(281.15,263.3) v1(281.15,259.3) v1(281.15,255.6) v1(281.15,251.4) v1(281.15,247.4) v1(281.15,239.4) v1(281.15,226.7) v1(281.15,222.7) v1(281.15,218.6) v1(281.15,214.8) v1(281.15,210.6) v1(281.15,206.5) v1(281.15,202.5) v1(281.15,194.8) v1(281.15,181.8) v1(281.15,178) v1(281.15,173.8) v1(281.15,169.8) v1(281.15,165.8) v1(281.15,161.8) v1(281.15,157.9) v1(281.15,154) ; v1(212.15,307.7) v1(212.15,303.6) v1(212.15,299.5) v1(212.15,295.6) v1(212.15,291.6) v1(212.15,287.7) v1(212.15,283.6) v1(212.15,275.5) v1(212.15,271.4) v1(212.15,267.2) v1(212.15,263.3) v1(212.15,259.3) v1(212.15,255.6) v1(212.15,251.4) v1(212.15,247.4) v1(212.15,239.4) v1(212.15,226.7) v1(212.15,222.7) v1(212.15,218.6) v1(212.15,214.8) v1(212.15,210.6) v1(212.15,206.5) v1(212.15,202.5) v1(212.15,194.8) v1(212.15,181.8) v1(212.15,178) v1(212.15,173.8) v1(212.15,169.8) v1(212.15,165.8) v1(212.15,161.8) v1(212.15,157.9) v1(212.15,154) ; v1(150.6,111.13) v1(150.6,121.55) 150.6,125.63 v1(150.7,125.73) v1(150.7,129.55) ; v1(197.4,53.83) v1(197.4,56.13) 197.44,56.17 DS1.2 ; v1(233.9,98.43) v1(233.9,66.13) 233.9,64.47 DS1.15 ; v1(159.6,129.63) v1(159.6,125.63) v1(159.6,121.63) 159.6,111.23 v1(159.7,111.13) 159.7,98.58 v1(160.08,98.2) ; U4.28 88.83,97.94 v1(88.7,98.08) ; v1(20.8,21.73) 21.25,22.17 v1(21.25,38.87) 21.3,38.93 v1(21.3,97.93) ; 50.67,97.98 v1(50.63,98.03) 50.63,37.65 v1(50.62,37.65) ; v1(28.1,307.73) v1(28.1,303.63) v1(28.1,299.53) v1(28.1,295.63) v1(28.1,291.63) v1(28.1,287.73) v1(28.1,283.63) v1(28.1,275.53) v1(28.1,271.43) v1(28.1,267.23) v1(28.1,263.33) v1(28.1,259.33) v1(28.1,255.63) v1(28.1,251.43) v1(28.1,247.43) v1(28.1,239.43) v1(28.1,226.73) v1(28.1,222.73) v1(28.1,218.63) v1(28.1,214.83) v1(28.1,210.63) v1(28.1,206.53) v1(28.1,202.53) v1(28.1,194.83) v1(28.1,181.83) v1(28.1,178.03) v1(28.1,173.83) v1(28.1,169.83) v1(28.1,165.83) v1(28.1,161.83) 28.1,151.53 28.6,151.03 v1(28.6,129.53) v1(28.6,125.53) v1(28.6,121.53) v1(28.6,117.53) v1(28.6,113.53) v1(28.6,109.53) v1(28.6,105.53) v1(28.6,101.53) v1(28.6,97.93) ; v1(186.62,98.2) v1(186.62,113.73) v1(186.62,117.73) v1(186.62,121.63) v1(186.62,125.73) v1(186.62,129.63) ; v1(173.82,98.2) 173.82,125.38 v1(174.07,125.63) v1(174.07,129.63) ; v1(64.8,98.03) 64.8,101.43 v1(64.9,101.53) 64.7,101.73 v1(64.7,106.03) v1(64.7,109.43) v1(64.7,113.43) v1(64.7,117.53) v1(64.7,121.53) v1(64.7,125.53) v1(64.7,129.73) ; v1(215.52,98.25) 215.52,110.03 v1(215.12,110.43) 215.52,110.83 215.52,114.13 v1(215.12,114.53) ; U1.28 v1(135,98.08) 135.2,98.28 v1(135.2,111.13) v1(135.2,115.53) v1(135.2,116.63) v1(135.2,119.53) v1(135.2,123.53) v1(135.2,127.43) v1(135.2,131.43) ; v1(114.5,29.93) 108.9,29.93 v1(108.8,30.03) ; v1(225.3,129.73) v1(225.3,125.63) v1(225.3,121.53) v1(225.3,117.83) v1(225.3,113.63) v1(225.3,109.43) v1(225.3,98.33) ; v1(230.4,56.23) 230.4,60.97